# Allegro board 08_041351d.brd (continued)
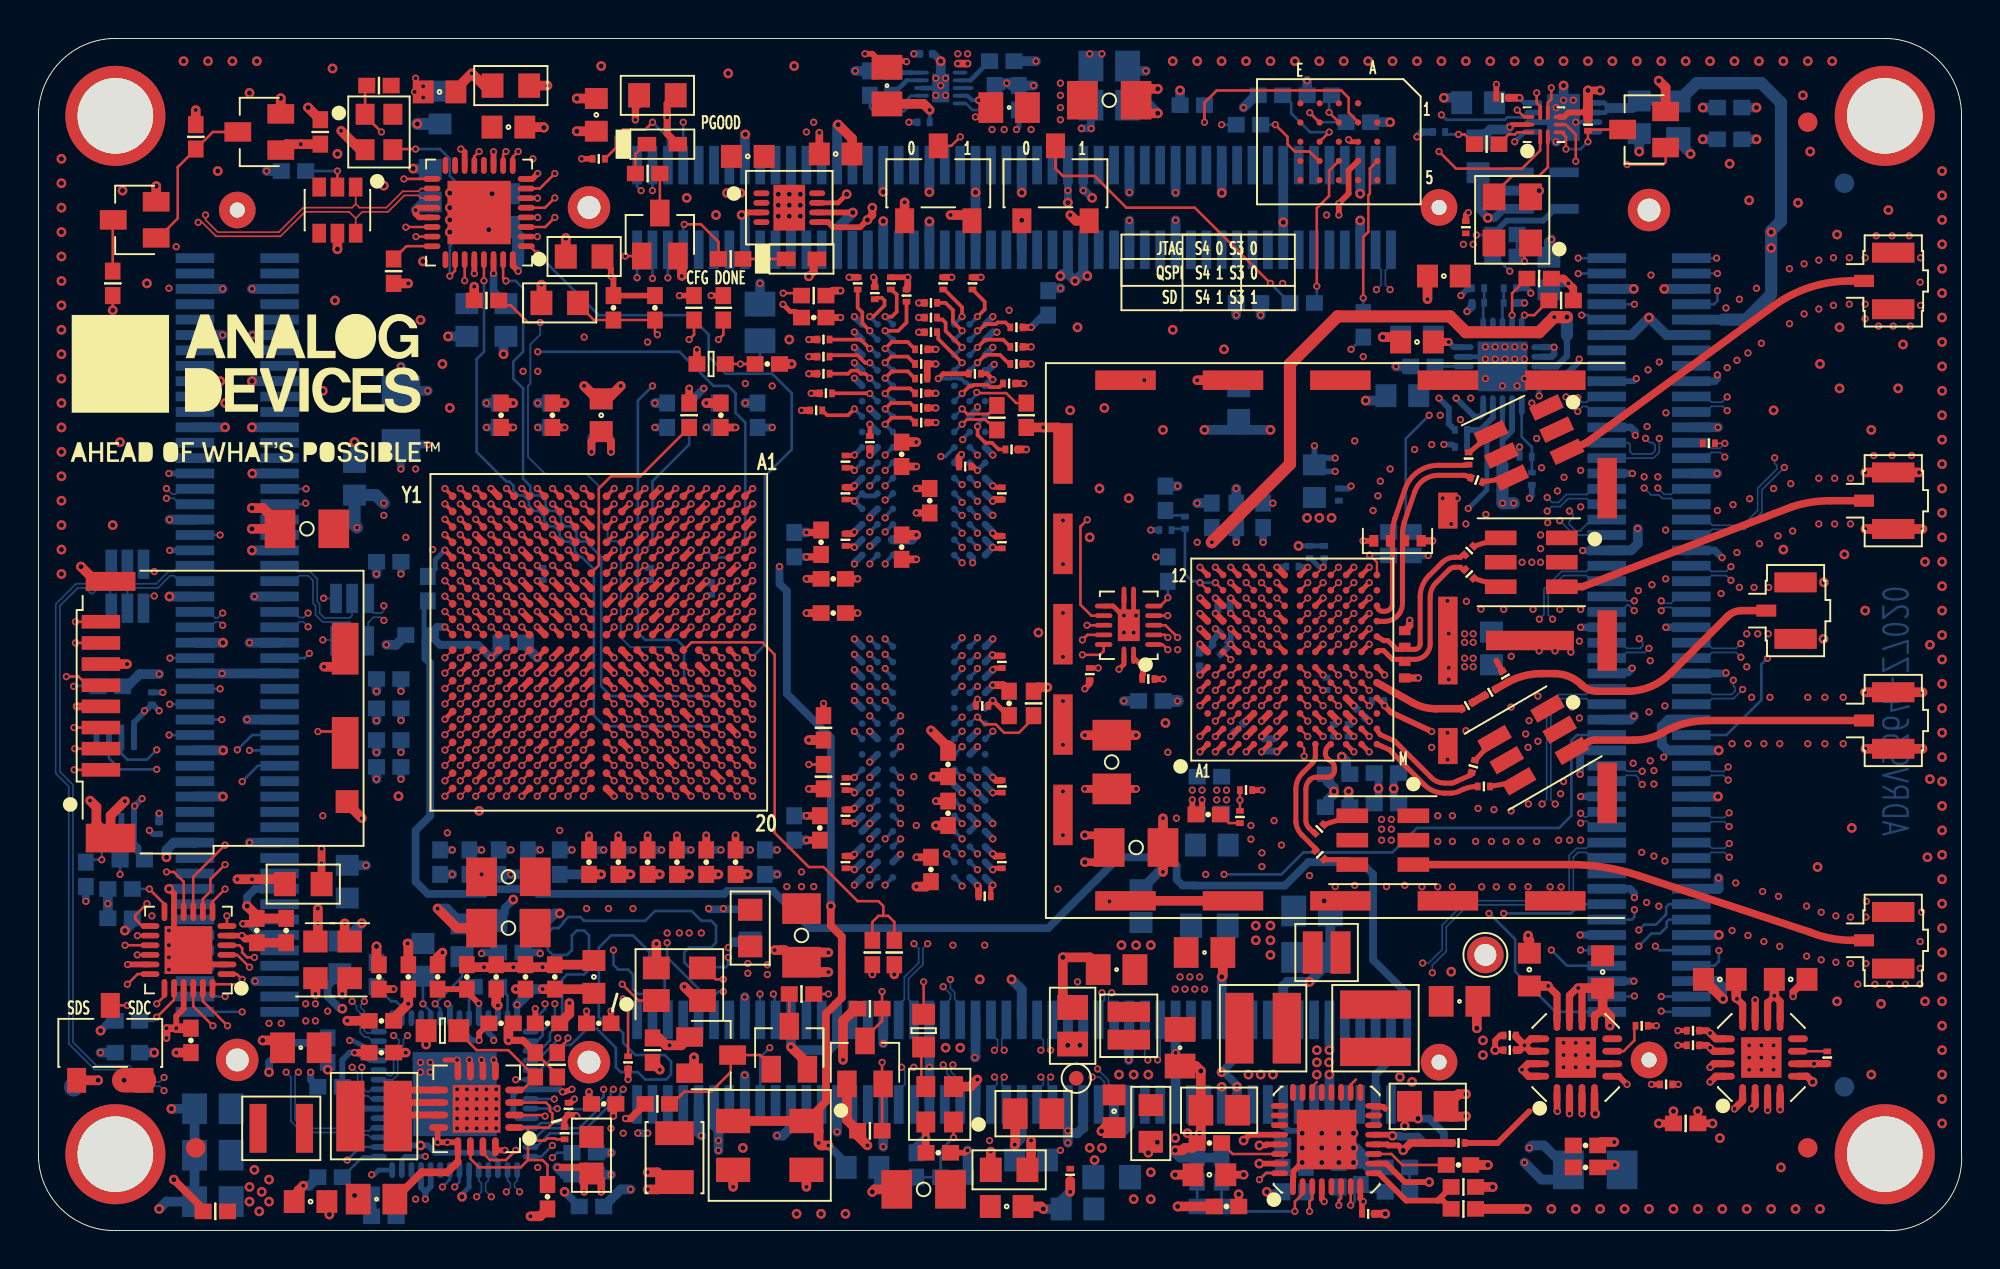
[diagram p0: board, top side]
## Routing (per net, layer and track width the routed paths; a pad name or vN(x,y) marks a point on that pad's centre or on a via; arc(x,y) is an arc through that point) (continued)
VCC-1P35: length 46
  TOP w0.356: C96.1 42.35,21.89 v1(42.43,21.97) ; C92.1 49.65,29.89 v1(49.6,29.94) ; C120.1 v1(41.71,47.48) ; v1(43.23,40.33) 43.23,40.34 C117.1 ; v1(42.43,38.73) 42.35,38.65 C118.1 ; v1(42.43,36.33) 42.34,36.24 C115.1 ; C112.1 49.78,36.11 v1(49.63,36.27) ; v1(42.43,19.57) 42.34,19.48 C97.1 ; v1(47.99,40.36) 47.87,40.23 C116.1 ; C95.1 49.74,19.48 v1(49.63,19.59) ; v1(49.63,37.93) 49.71,38.02 C109.1 ; C91.1 48.88,17.88 v1(48.83,17.94) ; C94.1 49.78,23.41 v1(49.63,23.57)
  TOP w0.381: 46.34,37.32 v1(45.65,37.32)
  TOP w0.406: C108.1 v1(45.65,34.91) ; v1(49.63,28.37) 50.15,28.37 C87.1 ; C86.1 v1(46.66,22.33) ; v1(47.8,60.69) v1(48.31,60.69) ; C88.1 v1(45.65,19.41) ; v1(41.71,48.88) 41.31,48.88 41.06,48.62 R134.2 ; C106.1 v1(45.65,39.73)
  TOP w0.508: 47.3,25.13 v1(46.41,26.02)
  TOP w0.762: C89.1 47.3,25.13
  L15_SIGNAL w0.508: v2(57.08,14.84) v2(57.84,14.84)
  L15_SIGNAL w0.635: v2(57.08,14.84) v2(56.31,14.84) 53.9,14.84 52.88,15.86 49.96,15.86 48.83,16.99 v1(48.83,17.94)
  BOTTOM w0.356: U3.E9 v1(49.63,37.93) ; U2.R9 v1(49.6,29.94) ; U3.H2 v1(43.23,40.33) ; U3.A8 48.57,34.98 v1(48.57,34.73) ; U2.A8 48.83,17.97 v1(48.83,17.94) ; U2.K2 v1(43.23,25.97) ; U3.H9 v1(49.63,40.33) ; U2.F1 v1(42.43,21.97) ; U2.D9 v1(49.63,20.37) ; U3.K8 48.83,42.73 v1(48.83,42.83) ; U3.D2 43.23,37.13 v1(43.23,37.07) ; U3.C1 v1(42.43,36.33) ; U3.K2 v1(43.23,42.73) ; U2.E9 v1(49.63,21.17) ; U2.H9 v1(49.63,23.57) ; v1(42.43,28.3) 42.49,28.3 U2.N1 ; U3.N9 49.37,44.73 49.64,45 49.65,45 v1(49.7,45.05) ; U2.N9 v1(49.63,28.37) ; U3.D9 49.56,37.19 v1(49.63,37.19) ; U2.C9 49.6,19.59 v1(49.63,19.59) ; U3.A1 42.43,34.73 v1(42.43,34.67) ; v1(49.63,36.27) 49.63,36.33 U3.C9 ; U2.C1 v1(42.43,19.57) ; v1(49.84,46.72) 49.82,46.73 49.63,46.73 U3.R9 ; v1(47.99,40.36) 47.99,40.3 U3.G7 ; U2.D2 v1(43.23,20.37) ; U2.R1 v1(42.43,29.97) ; U2.B2 v1(43.23,18.77) ; v1(43.23,35.59) 43.29,35.59 U3.B2 ; U3.F1 v1(42.43,38.73) ; U2.H2 v1(43.23,23.57) ; U3.R1 v1(42.43,46.73) ; U2.K8 v1(48.83,25.97) ; U3.N1 v1(42.43,45.13) ; U2.A1 v1(42.43,17.97) ; U2.G7 v1(48.03,22.77)
  vias: v1(47.8,61.2) v1(48.31,61.2) v1(53.14,59.67) v1(53.14,59.04) v1(53.14,58.4) v1(53.14,57.77)
VCC-3P3V: length 7.2
  TOP w0.508: C196.1 21.86,59.51 v1(22.53,60.18) 23.17,59.54 E7.2
  BOTTOM w0.203: U14.10 45.39,60.22 ; 44.5,60.22 44.46,60.22 R221.1
  BOTTOM w0.254: 45.39,60.22 44.5,60.22
  BOTTOM w0.381: C43.2 v1(45.52,61.2)
  BOTTOM w0.508: R178.1 v1(11.86,55.1) ; v1(42.47,60.31) R222.1 R221.1
VCC-3P3V-IO: length 83.8
  TOP w0.127: U1.K6 v1(29.94,34.59) ; U1.R6 v1(25.14,34.59) ; U1.T6 v1(24.34,34.59) ; U1.N6 v1(26.74,34.59)
  TOP w0.305: R168.1 v1(34.98,48.62) ; R167.1 v1(33.33,48.62) ; v1(7.16,10.52) 7.16,11.16 7.55,11.54 U11.21 ; U11.17 v1(4.64,13.84) ; U15.20 19.73,53.19 v1(19.61,53.07) 19.61,52.88 19.8,52.69 U15.21
  TOP w0.381: E8.2 31.23,58.59 31.04,58.4 v1(31.04,57.77)
  TOP w0.406: D4.A 40.31,50.36 40.31,49.88 v2(40.06,49.62) ; R169.2 v1(33.83,43.8) ; v1(6.66,10.01) v1(6.66,10.52) v1(7.16,10.52) ; J3.4 v1(1.98,27.26) ; v1(29.77,40.49) 29.77,41.04 C71.1 28.75,41.04 v1(28.75,40.49)
  TOP w0.508: C197.1 v2(27.99,58.87) ; R8.1 42.47,11.54 41.84,10.9 v1(41.84,8.87) ; C41.1 v1(7.16,10.52)
  L3_SIGNAL w0.406: v1(33.83,43.8) 33.33,44.3 v1(33.33,48.62)
  L7_SIGNAL w0.406: v1(41.84,8.87) 41.84,8.24 41.25,7.65 41.23,7.65 40.96,7.38 40.96,6.22 35.79,1.05 27.31,1.05 25.33,3.03 18.47,3.03 16.82,4.68 10.34,4.68 8.18,6.84 8.18,9.51 v1(7.16,10.52)
  L15_SIGNAL w0.406: v1(34.98,48.62) 37.71,48.62 38.72,49.64 40.04,49.64 v2(40.06,49.62)
  BOTTOM w0.406: v1(28.75,40.49) 28.75,41.26 29.05,41.55 C71.1 29.35,41.55 29.77,41.13 v1(29.77,40.49) ; v2(3.23,10.4) 3.74,10.9
  BOTTOM w0.508: C42.1 v1(3.61,17) R4.1 ; C57.1 v1(3.23,9.25) ; v1(19.61,53.07) 20.03,53.49 C184.1 ; 3.74,10.9 R109.1
VCC-BRAM: length 25.2
  TOP w0.127: U1.G11 v1(32.34,29.79) ; U1.H10 v1(31.54,31.39)
  TOP w0.406: v1(39.93,21.57) 40.63,21.57 ; v2(54.41,20.56) 55.04,20.56 C56.1 55.68,19.79 55.04,19.16 v2(54.41,19.16)
  L16_SIGNAL w0.406: v2(54.66,4.3) v2(55.3,4.3) 55.3,4.05 v2(54.92,3.66) 54.66,3.92 v2(54.66,4.3) ; v2(54.66,4.3) 54.54,4.43 54.54,6.97 54.03,7.47 54.03,8.49 54.79,9.25 54.79,10.14 54.41,10.52 54.41,12.43 54.92,12.94 54.92,18.65 v2(54.41,19.16) v2(54.41,20.56)
  BOTTOM w0.406: 39.3,21.57 v1(39.93,21.57)
VCCINT-1P0V: length 11.7
  TOP w0.356: U1.J13 v1(30.74,28.19) ; U1.P12 v1(25.94,28.99) ; U1.K12 v1(29.94,28.99) ; U1.L13 v1(28.34,28.19) ; U1.H12 v1(31.54,28.99) ; U1.M12 v1(27.54,28.99) ; U1.G13 v1(32.34,28.19) ; U1.R13 v1(25.14,28.19) ; U1.N13 v1(26.74,28.19)
  TOP w0.406: C23.1 v1(28.63,20.56) ; C19.1 v1(36.25,20.56) ; C141.1 v1(34.72,20.56)
  BOTTOM w0.406: C16.1 v1(27.74,19.79) ; v1(34.85,16.75) 34.89,16.71 C195.1 ; C23.1 v1(29.39,19.79) ; C141.1 v1(35.49,19.79)
  vias: v1(28.5,16.75) v1(29.64,16.75) v1(30.91,16.75) v1(35.61,16.75)
VCCO-DDR: length 10.2
  TOP w0.356: U1.U1 23.93,38.19 v1(23.53,38.59) ; U1.D2 v1(34.74,37.79) ; U1.E5 v1(33.94,35.39) ; U1.H4 v1(31.54,36.19) ; U1.P2 v1(25.94,37.79) ; U1.V4 v1(22.74,36.19) ; U1.G1 v1(32.34,38.59) ; U1.L3 v1(28.34,36.99) ; U1.A3 v1(37.14,36.99) ; U1.R5 v1(25.14,35.39)
  TOP w0.406: C193.1 49.49,1.34 49.33,1.51
  TOP w0.508: E2.2 v1(49.52,4.11)
  BOTTOM w0.406: C20.1 v1(23.29,41.76) ; C17.1 v1(25.96,41.76) ; C121.1 v1(34.72,41.76) ; C125.1 v1(38.15,41.76) ; C11.1 v1(32.06,41.76)
  vias: v1(49.46,4.68)
VCCPCOM-1P8V: length 57.9
  TOP w0.305: U15.14 22.16,56.1 ; v1(67.62,52.81) v1(67.62,53.42) 68.12,53.92 68.12,55.13 U13.B4 ; U15.8 25.68,54.69 v1(25.96,54.97) ; v1(24.94,49.89) 24.66,50.17 U15.32 ; U15.30 v1(23.66,49.78) ; U15.11 v1(23.66,56.1) ; U11.5 v1(10.58,15.34) ; U15.28 v1(22.66,49.77)
  TOP w0.356: U1.D7 v1(34.74,33.79) ; U1.N9 v1(26.74,32.19) ; U1.H8 v1(31.54,32.99) ; U1.J11 v1(30.74,29.79) ; U1.D12 v1(34.74,28.99) ; U1.B6 v1(36.34,34.59) ; U1.P10 v1(25.94,31.39) ; U1.N11 v1(26.74,29.79) ; U1.K8 v1(29.94,32.99) ; U1.A13 v1(37.14,28.19) ; U1.R9 v1(25.14,32.19) ; U1.G9 v1(32.34,32.19) ; v1(36.34,25.79) U1.B16 ; U1.M8 v1(27.54,32.99) ; U1.F8 v1(33.14,32.99) ; U1.L11 v1(28.34,29.79) ; U1.E15 v1(33.94,26.59)
  TOP w0.381: C54.1 11.15,15.17 10.75,15.17 v1(10.58,15.34)
  TOP w0.406: R194.1 v1(43.36,13.32) ; C53.1 v1(36.25,41.76) ; Y1.4 v1(46.14,4.81) 46.14,4.06 C39.1 ; C179.1 v1(24.69,41.76) ; C175.1 v1(27.36,41.76) ; L12.1 v1(34.24,45.8) ; R37.1 v1(40.06,22.97)
  TOP w0.508: v1(14.53,16.75) v1(14.53,15.98) 14.53,15.16 E9.2 ; S3.3 53.94,52.52 v1(53.65,52.81) ; C54.1 C55.1 ; v1(43.11,4.43) 42.6,4.93 R7.1 42.04,5.75 Q5.1 ; E1.1 v1(26.15,49.19) ; v1(47.42,52.81) 48.19,52.81 48.48,52.52 S4.3 ; R9.1 v1(22.66,49.09)
  TOP w1.27: S1.3 v2(4.45,7.81)
  BOTTOM w0.254: C83.1 55.3,61.13 v1(55.3,61.2)
  BOTTOM w0.305: v1(54.66,61.2) 54.73,61.13 C83.1 ; v1(34.74,33.79) 34.82,33.7
  BOTTOM w0.381: v1(24.94,49.89) 24.94,50.4
  BOTTOM w0.406: C174.1 v1(38.41,19.79) ; v1(14.53,16.75) v1(14.53,15.98) ; C82.1 54.73,57.32 ; 54.73,57.32 54.24,57.32 v1(54.23,57.31) ; 54.73,57.32 v1(54.74,57.31) ; 34.82,33.7 R31.1 ; v1(23.66,49.78) 23.66,48.85 C32.1 ; C182.1 22.66,48.58 v1(22.66,49.09) ; C52.1 v1(37.01,19.79)
  BOTTOM w0.508: v1(46.14,4.81) 45.65,4.31 R40.1 ; v1(65.97,59.8) R28.1 ; 62.28,48.24 v1(62.28,47.61) ; R36.1 4.62,28.3 5.26,28.94 v1(6.28,28.94) ; R6.1 v1(51.87,60.81)
  BOTTOM w0.635: v1(17.96,37.83) 17.54,38.25 C145.2 16.44,36.68 v1(16.56,36.56) ; C126.1 v2(19.7,57.55) ; 24.94,50.4 24.94,51.71 C181.1
  vias: v1(17.96,37.19) v1(21.96,56.24) v1(25.71,55.73) v2(61.65,45.83)
VCCPINT-1P0V: length 11.8
  TOP w0.356: U1.P8 v1(25.94,32.99) ; U1.R7 v1(25.14,33.79) ; U1.J7 v1(30.74,33.79) ; U1.L7 v1(28.34,33.79) ; U1.N7 v1(26.74,33.79) ; U1.G7 v1(32.34,33.79)
  TOP w0.381: C159.1 40.57,35.03 v1(39.93,35.03)
  TOP w0.406: C163.1 v1(39.93,32.11) ; C10.1 v1(39.93,33.89)
  BOTTOM w0.406: C162.1 v1(39.93,35.03)
  BOTTOM w0.508: v1(77.52,4.3) 77.65,4.43 78.28,4.43 C173.1 79.05,2.65 78.16,2.65 v1(77.27,3.54)
  vias: v2(47.17,9.51) v2(47.93,9.51) v2(56.19,8.11) v2(56.95,8.11) v2(57.71,8.11)
VDD_INTERFACE: length 17.8
  TOP w0.127: U17.H12 v1(66.8,34.49)
  TOP w0.254: U22.1 56.94,29.79 57.43,29.31 v1(57.46,29.31)
  TOP w0.305: R306.2 v1(85.27,7.6) ; v1(57.46,29.31) 57.44,29.28 57.44,28.93 57.39,28.89 C245.1
  TOP w0.356: U1.F18 v1(33.14,24.19) ; 30.34,25.39 v1(30.74,24.99) ; U1.H14 v1(31.54,27.39) ; U1.C19 v1(35.54,23.39) ; U1.K20 v1(29.94,22.59) ; U1.M16 v1(27.54,25.79)
  TOP w0.406: U1.J17 30.34,25.39 ; C47.1 v1(33.2,20.56) ; C44.1 v1(31.68,20.56) ; v2(84.25,5.57) E10.2 v2(85.02,6.2) ; C51.1 v1(30.15,20.56)
  TOP w0.508: 39.8,13.95 40.31,14.46 v1(41.07,14.46) ; 39.8,13.95 C28.1 39.42,13.95 38.79,14.59 v1(38.28,14.59) ; 39.8,13.95 39.93,13.95 40.44,13.44 v1(41.07,13.44)
  BOTTOM w0.254: C355.1 66.13,34.97 66.57,34.53 66.76,34.53 v1(66.8,34.49) 66.85,34.55 C356.1
  BOTTOM w0.406: C44.1 v1(32.4,19.79) ; C51.1 v1(30.91,19.79) ; C47.1 v1(33.92,19.79)
  vias: v1(61.27,22.9) v1(61.27,22.4) v1(61.77,22.9) v1(61.77,22.4)
VDDA_GPO: length 5
  TOP w0.127: U17.B8 v1(61.2,31.29)
  BOTTOM w0.305: R67.1 77.65,38.21 v1(77.52,38.08)
  BOTTOM w0.356: C360.1 61.04,30.69 C319.1 v1(61.2,31.29)
  BOTTOM w0.508: C361.1 v2(86.54,58.4) ; v2(85.9,55.99) 85.27,56.62 E11.2 ; C358.1 v2(86.54,56.75)
VDDA_GPO_PWR: length 80.3
  TOP w0.406: v2(87.05,5.57) E10.1 v2(86.29,6.2)
  L16_SIGNAL w0.635: v2(87.05,5.57) 87.05,6.33 ; 87.05,6.33 88.06,7.35 90.73,7.35 91.37,7.98 91.37,9.51 92.25,10.4 92.25,12.49 91.24,13.51 91.24,33.89 91.87,34.53 91.87,45.13 90.1,46.91 v2(90.1,51.1) v2(90.1,51.92) ; 87.05,6.33 86.92,6.2 v2(86.29,6.2)
  BOTTOM w0.254: U6.2 81.46,58.14 81.69,58.38 81.42,58.64 U6.1
  BOTTOM w0.406: 85.24,58.74 E11.1
  BOTTOM w0.508: 81.69,58.38 82.85,58.38 82.88,58.4 82.89,58.4 C200.1 85.24,58.74 ; 87.57,47.37 JX4.9
  BOTTOM w0.635: E11.1 86.22,59.67 89.59,59.67 90.6,58.66 90.6,52.5 90.1,51.99 v2(90.1,51.92) v2(90.1,51.1) 90.1,48.69 88.78,47.37 87.57,47.37
1P3_SUPPLY_A: length 54.5
  TOP w0.305: 79.99,12.61 v1(80.06,12.61) 80.26,12.41
  TOP w0.356: U17.B10 v1(61.2,32.89) ; U17.B9 v1(61.2,32.09) ; U17.K3 v1(68.4,26.49) ; U17.E2 v1(63.6,25.69) ; U17.J3 v1(67.6,26.49) ; U17.F2 v1(64.4,25.69)
  TOP w0.381: v1(77.27,9.63) 77.58,9.32 U19.14 ; v1(77.27,9.63) 77.01,9.38 C315.1 ; v1(77.27,9.63) 77.61,9.97 U19.13 ; v1(77.27,9.63) 76.82,10.08 C314.1 ; U19.9 80.91,11.11 81.33,11.53 ; 79.99,12.61 79.61,12.23 U19.11 ; v1(78.5,12.72) 78.96,12.26 U19.12 ; U19.10 80.26,12.41
  TOP w0.508: 81.17,12.59 81.15,12.61 v1(80.06,12.61) ; 81.17,12.59 C312.1 ; 81.17,12.59 81.33,12.43 81.33,11.53 81.71,11.15 v1(81.71,10.65) ; C313.1 v1(78.5,12.72)
  TOP w0.635: v2(79.48,47.5) v1(78.82,47.5) 78.03,46.72 74.22,46.72 73.39,47.54 67.55,47.54 65.08,45.07 65.08,39.86 v1(61.01,35.8)
  BOTTOM w0.33: U24.18 78.94,44.94 79.48,45.47 79.48,46.57
  BOTTOM w0.356: v1(68.4,26.49) 68.24,26.33 C329.1 ; v1(61.2,32.09) 61.33,32.23 C321.1 61.33,32.76 v1(61.2,32.89) ; v1(63.6,25.69) 63.72,25.57 C322.1 64.28,25.57 v1(64.4,25.69) ; C326.1 67.44,26.33 v1(67.6,26.49)
  BOTTOM w0.406: C323.1 69.68,22.42 v2(69.68,22.99) 69.68,23.58 C320.1 ; C327.1 v1(61.01,35.8)
  BOTTOM w0.508: C328.1 68.12,22.08 v2(68.12,22.84)
  BOTTOM w0.635: 79.48,46.57 v2(79.48,47.5) v1(78.82,47.5)
1P3_SUPPLY_B: length 67.5
  TOP w0.254: 86.79,9.63 v1(86.92,9.51) ; 86.79,10.4 v1(86.92,10.27)
  TOP w0.305: L1.1 v1(68.88,35.87) ; 89.91,11.86 v1(90.26,12.21)
  TOP w0.356: v1(60.4,32.89) U17.A10 ; U17.K4 v1(68.4,27.29) ; C343.1 86.79,10.4 ; U17.E3 v1(63.6,26.49) ; U17.D3 v1(62.8,26.49) ; U17.D2 v1(62.8,25.69) ; U17.A7 v1(60.4,30.49) ; C344.1 86.79,9.63 ; U17.A8 v1(60.4,31.29) ; U17.A9 v1(60.4,32.09) ; U17.F12 v1(64.4,34.49)
  TOP w0.381: U20.11 v1(89.26,11.99) ; U20.12 88.61,11.75 v1(88.32,12.05) 88.28,12.08 ; U20.9 90.56,11.91 v1(90.26,12.21) ; v1(86.92,10.27) 87.22,9.97 U20.13 ; L8.1 71.3,31.45 v1(71.3,31.73) ; L9.1 v1(71.74,28.74) ; U20.14 87.1,9.32 v1(86.92,9.51) ; L2.1 v1(72.49,35.87) ; U20.10 89.91,11.86
  TOP w0.508: C341.1 v1(90.26,12.21) ; C342.1 88.28,12.08
  L9_POWER w0.203: 64.19,21.95 64.19,24.3 64,24.49 64,26.09 v1(63.6,26.49) ; v1(60.4,32.09) v1(60.4,32.89) 60.79,33.29 60.79,34.81 61.27,35.29 61.77,35.29 v1(62.28,35.8) 61.77,36.3 61.77,39.48 ; v1(59.23,27.54) 59.23,29.33 v1(60.4,30.49) v1(60.4,31.29) ; v1(62.8,26.49) v1(62.8,25.69) 63.2,25.29 63.2,21.98 ; v1(63.68,35.8) 64.4,35.08 v1(64.4,34.49) ; v1(68.4,27.29) 68.38,27.29 68,26.91 68,25.38 67.77,25.15 v2(67.77,24.64)
  L9_POWER w0.254: v2(67.77,24.64) 67.77,24.09 69.52,22.33 ; v1(59.23,27.54) 59.23,22.4 60.06,21.57 62.66,21.57 ; 63.3,39.35 63.3,36.18 v1(63.68,35.8)
  BOTTOM w0.254: C330.1 64.43,34.53 v1(64.4,34.49)
  BOTTOM w0.33: U24.19 79.36,44.44 80.11,45.19 v1(80.11,45.32)
  BOTTOM w0.356: C333.1 68.4,27.27 v1(68.4,27.29) ; v1(60.4,30.49) 60.38,30.47 C325.1 ; v1(62.8,26.49) 62.67,26.37 C334.1
  BOTTOM w0.406: C335.1 v1(63.68,35.8) ; C332.1 v1(62.28,35.8)
  BOTTOM w0.508: v2(67.77,24.64) 68,24.42 68,23.92 C324.1
  BOTTOM w0.635: 58.47,27.54 v1(59.23,27.54)
  vias: v1(74.16,29.76) v1(74.16,29.32) v1(74.6,29.76) v1(74.6,29.32) v2(65.97,37.07) v2(66.6,37.07) v2(67.24,37.07)
AD9364_CLK: length 48.4
  TOP w0.14: v1(73.84,57) 74.16,57 C62.1
  L16_SIGNAL w0.095: v1(89.9,29.76) 90.48,30.33 90.48,33.95 88.51,35.92 88.51,44.11 89.33,44.94 89.33,45.76 88.9,46.2 88.9,50.17 87.45,51.62 82.27,51.62 77.9,55.99 74.86,55.99 v1(73.84,57)
  BOTTOM w0.14: R5.1 73.27,57 v1(73.84,57) ; v1(89.9,29.76) 89.59,29.45 89.59,27.59 87.77,25.77 JX4.63
ADP2114_VIN: length 8.2
  TOP w0.305: U4.4 66.73,1.63 v1(66.85,1.51) ; U4.8 68.73,1.66 v1(68.89,1.51) 68.82,1.44 R23.2 ; v2(72.32,2.52) 71.05,2.52 70.09,3.48 U4.10 ; U4.31 v2(63.48,3.48)
  TOP w0.406: C146.1 v2(62.41,1.89) ; C150.1 v2(62.66,2.9)
AUXADC: length 34.8
  TOP w0.127: U17.L5 v1(69.2,28.09)
  L16_SIGNAL w0.095: v1(69.2,28.09) 69.56,27.73 73.97,27.73 75.74,29.51 75.74,31.22 78.72,34.2 78.72,35.01 81.71,38.01 81.71,44.49 86.09,48.88 v1(87.3,48.88)
  BOTTOM w0.14: v1(87.3,48.88) 87.3,48.35 87.12,48.17 JX4.7
AUXDAC1: length 38.8
  TOP w0.127: U17.B3 v1(61.2,26.49)
  L16_SIGNAL w0.095: v1(61.2,26.49) 61.2,26.47 61.52,26.14 62.16,26.14 62.46,26.45 62.46,26.63 62.66,26.83 62.84,26.83 62.89,26.88 64.92,26.88 65.46,27.41 65.46,28.18 65.76,28.48 70.27,28.48 70.66,28.87 70.66,29.45 72.7,31.48 72.7,33 73.9,34.21 75.74,34.21 77.09,35.55 77.09,36.33 77.97,37.21 77.97,38.53 81.27,41.83 81.27,46.46 v1(82.98,48.17)
  BOTTOM w0.14: JX4.8 v1(82.98,48.17)
AUXDAC2: length 36.1
  TOP w0.127: U17.C3 v1(62,26.49)
  L16_SIGNAL w0.095: v1(80.24,47.61) 80.82,47.02 80.82,42.15 80.44,41.76 79.3,41.76 77.14,39.61 77.14,37 74.86,34.72 73.78,34.72 72.32,33.26 72.32,31.6 70.03,29.32 65.84,29.32 65.08,28.56 65.08,28.05 64.72,27.69 62.59,27.69 62.36,27.46 62.36,27.13 62,26.77 v1(62,26.49)
  BOTTOM w0.14: JX4.10 80.81,47.37 80.57,47.61 v1(80.24,47.61)
CARRIER_RESET: length 64.3
  TOP w0.14: Q5.3 42.98,10.01 43.87,10.9 R8.2 v1(43.87,12.43)
  L3_SIGNAL w0.095: v1(50.47,47.86) 49.89,47.86 49.4,48.34 46.99,48.34 46.52,47.87 45,47.87 44.63,48.24 39.75,48.24 37.72,50.27 33.45,50.27 v1(32.73,49.55)
  L16_SIGNAL w0.095: v1(43.87,12.43) 46.28,12.43 46.79,12.94 46.79,17.63 47.68,18.52 48.1,18.52 48.69,19.1 48.89,19.1 49.07,19.29 49.45,19.29 49.49,19.25 49.93,19.25 50.47,19.79 v1(50.47,47.86)
  BOTTOM w0.14: JX1.6 v1(32.73,49.55)
COMP_1P8V: length 6.6
  TOP w0.14: U4.2 65.73,1.91 65.33,1.51 v1(65.33,1)
  BOTTOM w0.14: C67.1 R46.1 62.14,1.25 62.39,1 v1(65.33,1)
COMP_1P35V: length 3.7
  TOP w0.14: U4.7 v1(68.23,1.31)
  BOTTOM w0.14: v1(68.23,1.31) 68.44,1.53 68.44,2.08 C68.1 69.14,2.01 C114.1
CTRL_IN0: length 5.8
  TOP w0.127: U17.C5 v1(62,28.09)
  TOP w0.14: v1(58.73,30.21) 58.46,30.48 U22.2
  L12_SIGNAL w0.095: v1(58.73,30.21) 58.73,29.83 60.12,28.43 61.66,28.43 v1(62,28.09)
CTRL_IN1: length 6.8
  TOP w0.127: U17.C6 v1(62,28.89)
  TOP w0.14: U22.3 58.59,30.98 v1(58.73,30.84)
  L12_SIGNAL w0.095: v1(58.73,30.84) 58.73,30.97 58.98,31.22 59.99,31.22 60.26,30.95 61.06,30.95 61.98,30.03 62.14,30.03 62.34,29.83 62.34,29.23 v1(62,28.89)
CTRL_IN2: length 6.9
  TOP w0.127: U17.D5 v1(62.8,28.09)
  TOP w0.14: U22.4 58.6,31.48 59.09,30.99 59.09,30.99 v1(59.23,30.84)
  L12_SIGNAL w0.095: v1(59.23,30.84) 59.36,30.84 60.38,29.83 60.89,29.83 61.66,29.05 61.66,28.75 61.75,28.66 61.98,28.43 62.14,28.43 62.48,28.09 v1(62.8,28.09)
CTRL_IN3: length 7.6
  TOP w0.127: U17.D6 v1(62.8,28.89)
  TOP w0.14: U22.5 v1(58.72,31.98)
  L12_SIGNAL w0.095: v1(62.8,28.89) 62.79,28.9 62.79,29.83 62.34,30.28 62.34,30.63 62.14,30.83 61.86,30.83 61.54,31.15 61.54,31.43 61.34,31.63 60.1,31.63 59.75,31.98 v1(58.72,31.98)
DDR3_A0: length 57.7
  TOP w0.197: v1(44.03,45.13) 44.34,45.45 45.2,45.45 R136.1 ; U1.N2 v1(26.74,37.79)
  L6_SIGNAL w0.14: v1(44.03,28.3) 44.37,28.3 45.72,29.65 45.72,32.04 43.59,34.17 43.59,34.82 43.38,35.03 43.24,35.03 42.85,35.41 42.85,42.91 43.11,43.17 43.38,43.17 43.66,43.46 43.66,43.68 43.95,43.97 44.18,43.97 44.5,44.29 44.5,44.65 v1(44.03,45.13)
  L7_SIGNAL w0.14: v1(44.03,28.3) 47.3,28.3 47.68,27.92 47.4,26.89 47.31,26.61 47.07,26.4 41.07,26.4 40.31,27.16 40.31,27.16 37.76,29.71 37.76,30.09 37.44,30.42 31.04,30.42 30.3,31.16 30.3,31.54 30.09,31.75 29.66,31.75 28.96,32.45 28.7,32.72 28.7,33.14 28.49,33.35 28.19,33.35 27.9,33.64 27.9,33.94 27.69,34.15 27.39,34.15 27.1,34.44 27.1,34.78 26.85,35.03 26.59,35.03 26.37,35.24 26.37,36.34 26.59,36.55 26.81,36.55 27.07,36.81 27.1,36.81 27.1,37.14 26.74,37.5 v1(26.74,37.79)
  BOTTOM w0.197: U3.N3 v1(44.03,45.13) ; U2.N3 44.09,28.3 v1(44.03,28.3)
DDR3_A1: length 56
  TOP w0.197: R137.1 46.83,47.38 47,47.38 47.17,47.21 47.17,46.79 v1(48.03,45.93) ; U1.K2 v1(29.94,37.79)
  L12_SIGNAL w0.14: v1(48.03,29.23) 46.2,31.06 46.2,44.86 46.3,44.96 46.3,45.22 46.51,45.43 46.77,45.43 47.27,45.93 v1(48.03,45.93)
  L13_SIGNAL w0.14: v1(48.03,29.23) 47.65,29.6 42.28,29.6 42.06,29.82 42.06,29.85 41.71,30.21 41.71,30.97 41.96,31.22 44.76,31.22 44.88,31.35 44.88,31.86 45.01,31.99 45.52,31.99 45.65,32.11 45.65,32.62 45.52,32.75 45.01,32.75 44.88,32.87 44.88,33.3 44.76,33.43 41.84,33.43 41.71,33.55 41.71,33.89 41.58,34.02 40.82,34.02 40.69,33.89 40.69,33.55 40.57,33.43 38.71,33.43 38.68,33.4 38.38,33.4 38.36,33.43 36.49,33.43 35.69,33.43 34.59,33.43 34.37,33.64 34.37,33.86 34.09,34.15 33.86,34.15 33.57,34.44 33.57,35.46 33.28,35.75 32.99,35.75 32.7,36.04 32.7,36.34 32.49,36.55 32.19,36.55 31.9,36.84 31.9,37.14 31.69,37.35 31.39,37.35 31.1,37.64 31.1,37.94 30.89,38.15 30.47,38.15 30.11,37.79 v1(29.94,37.79)
  BOTTOM w0.197: U3.P7 v1(48.03,45.93) ; U2.P7 48.03,29.17 v1(48.03,29.23)
DDR3_A2: length 58.2
  TOP w0.197: U1.M3 v1(27.54,36.99) ; R138.1 45.2,46.21 44.37,46.21 v1(44.03,45.87)
  L6_SIGNAL w0.14: v1(44.03,29.23) 44.29,29.23 45.19,30.13 45.19,31.42 43.31,33.29 42.6,33.29 41.62,34.27 41.62,42.82 42.22,43.42 42.22,43.42 42.24,43.43 42.61,43.43 43.08,43.89 43.3,43.89 43.66,44.26 43.66,45.28 44.03,45.64 v1(44.03,45.87)
  L13_SIGNAL w0.14: v1(27.54,36.99) 27.54,36.68 27.41,36.56 26.5,36.56 26.37,36.68 26.37,38.88 26.98,39.48 28.37,39.48 29.57,38.28 29.57,36.84 29.86,36.55 30.09,36.55 30.37,36.26 30.37,36.04 30.66,35.75 30.89,35.75 31.17,35.47 31.17,32.75 31.36,32.55 34.09,32.55 34.37,32.26 34.37,32.04 34.59,31.83 37.29,31.83 37.44,31.99 37.9,31.99 38.15,32.24 38.15,32.61 38.28,32.73 38.55,32.73 38.66,32.62 38.66,32.11 38.79,31.99 39.04,31.99 39.17,32.11 39.17,32.61 39.3,32.73 39.49,32.73 39.59,32.64 39.59,32.38 39.47,32.26 39.47,32.06 39.57,31.97 39.57,31.73 39.8,31.5 39.8,30.97 41.2,29.57 41.2,28.43 41.83,27.79 42.14,27.79 42.28,27.93 42.58,27.93 42.71,27.79 42.94,27.79 43.08,27.93 43.1,27.93 43.11,27.94 43.38,27.94 43.59,28.15 43.59,28.4 43.61,28.43 43.61,28.82 v1(44.03,29.23)
  BOTTOM w0.197: U3.P3 44.09,45.87 v1(44.03,45.87) ; v1(44.03,29.23) 44.03,29.17 U2.P3
DDR3_A3: length 57.7
  TOP w0.197: R139.1 41.21,45.52 42.59,45.52 42.98,45.13 v1(43.23,45.13) ; U1.K3 v1(29.94,36.99)
  L6_SIGNAL w0.14: v1(43.23,45.13) 43.23,44.84 42.86,44.48 42.86,44.44 42.85,44.43 42.85,44.18 42.6,43.92 42.24,43.92 41.35,43.03 41.35,34 42.33,33.03 43.2,33.03 44.92,31.3 44.92,30.35 44.18,29.6 43.89,29.6 43.66,29.38 43.66,29.19 43.59,29.11 43.59,29.08 43.23,28.72 v1(43.23,28.3)
  L13_SIGNAL w0.14: v1(43.23,28.3) 42.91,28.62 42.91,28.75 42.78,28.88 42.65,28.88 42.58,28.8 42.42,28.8 42.04,28.43 41.84,28.43 41.71,28.56 41.71,29.57 41.2,30.08 41.2,30.84 41.07,30.97 40.44,30.97 40.31,31.1 40.31,31.35 40.57,31.6 40.57,32.49 40.69,32.62 41.71,32.62 41.84,32.49 41.84,31.86 42.09,31.6 42.85,31.6 42.98,31.73 42.98,32.49 43.11,32.62 43.61,32.62 43.74,32.49 43.74,31.73 43.87,31.6 44.12,31.6 44.38,31.86 44.38,32.75 44.12,33 38.15,33 37.77,32.62 34.6,32.62 34.59,32.63 34.59,32.63 34.37,32.84 34.37,33.06 34.09,33.35 32.19,33.35 31.9,33.64 31.9,35.54 31.61,35.83 31.39,35.83 31.17,36.04 31.17,36.76 31.1,36.84 31.1,37.14 30.89,37.35 30.31,37.35 29.95,36.99 v1(29.94,36.99)
  BOTTOM w0.197: U2.N2 43.29,28.3 v1(43.23,28.3) ; U3.N2 v1(43.23,45.13)
DDR3_A4: length 56.3
  TOP w0.197: U1.M4 v1(27.54,36.19) ; v1(48.83,45.93) 49.22,46.33 50.16,46.33 R140.1
  L6_SIGNAL w0.14: v1(48.83,45.93) 49.23,46.34 49.71,46.34 49.75,46.29 49.78,46.29 49.99,46.08 49.99,46.06 52.01,44.03 52.01,44.03 52.84,43.21 52.84,40.43 51.88,39.48 51.88,31.87 49.96,29.95 49.96,29.79 49.75,29.58 49.18,29.58 v1(48.83,29.23)
  L7_SIGNAL w0.14: v1(27.54,36.19) 27.82,36.19 28.19,36.55 28.62,36.55 29.01,36.94 29.01,37.45 29.71,38.15 32.49,38.15 32.7,37.94 32.7,37.72 32.99,37.43 39.32,37.43 40.29,36.45 40.29,36.2 42.22,34.27 45.27,34.27 45.44,34.1 49.12,34.1 49.84,33.38 49.84,31.6 49.58,31.35 48.69,31.35 48.44,31.1 48.44,29.62 v1(48.83,29.23)
  BOTTOM w0.197: U2.P8 48.83,29.17 v1(48.83,29.23) ; U3.P8 v1(48.83,45.93)
DDR3_A5: length 59.2
  TOP w0.197: R141.1 42.76,46.34 v1(43.23,45.87) ; U1.L1 v1(28.34,38.59)
  L6_SIGNAL w0.14: v1(43.23,45.87) 42.87,45.87 42.58,45.57 42.28,45.57 41.98,45.87 41.49,45.87 40.82,45.19 40.82,33.38 41.71,32.49 42.98,32.49 44.39,31.08 44.39,30.62 44.18,30.4 43.81,30.4 43.59,30.18 43.59,29.82 43.23,29.45 v1(43.23,29.23)
  L7_SIGNAL w0.14: v1(43.23,29.23) 43.23,29.45 43.59,29.82 43.59,30.2 43.46,30.33 42.99,30.33 42.79,30.52 42.79,31.02 42.6,31.21 41.98,31.21 41.85,31.34 41.85,31.34 41.44,31.74 41.44,32.13 40.18,33.38 39.68,33.38 38.91,34.15 32.94,34.15 32.77,34.32 32.77,35.46 32.49,35.75 32.26,35.75 31.97,36.04 31.97,36.26 31.69,36.55 31.46,36.55 31.17,36.84 31.17,37.06 30.89,37.35 29.67,37.35 29.39,37.07 29.39,36.56 28.58,35.75 27.46,35.75 27.17,36.04 27.17,36.34 27.39,36.55 27.61,36.55 27.9,36.84 27.9,38.05 27.74,38.21 26.6,38.21 26.47,38.34 26.21,38.34 26.09,38.21 25.83,38.21 25.82,38.23 25.79,38.23 25.68,38.34 25.45,38.34 25.33,38.21 24.82,38.21 24.7,38.33 24.7,38.85 24.8,38.96 25.69,38.96 25.71,38.97 27.95,38.97 v1(28.34,38.59)
  BOTTOM w0.197: U2.P2 43.23,29.17 v1(43.23,29.23) ; U3.P2 43.29,45.87 v1(43.23,45.87)
DDR3_A6: length 59.1
  TOP w0.197: v1(48.83,46.79) 48.9,46.79 49.24,47.14 49.79,47.14 49.87,47.23 50.28,47.23 R143.1 ; U1.L4 v1(28.34,36.19)
  L6_SIGNAL w0.14: v1(48.83,29.9) 49.33,30.4 49.78,30.4 49.9,30.53 49.9,30.53 51.61,32.24 51.61,39.99 51.99,40.36 51.99,40.88 51.61,41.26 51.61,43.46 51.38,43.69 51.08,43.69 50.87,43.9 50.87,44.28 50.06,45.1 50.06,45.2 49.85,45.41 49.11,45.41 48.95,45.57 48.68,45.57 48.46,45.78 48.46,46.43 v1(48.83,46.79)
  L13_SIGNAL w0.14: v1(48.83,29.9) 49.2,29.53 49.2,25.51 49.19,25.49 49.19,25.02 48.98,24.8 48.5,24.8 48.18,24.48 47.92,24.48 47.42,23.98 42.85,23.98 37.41,29.43 29.79,29.43 29.57,29.64 29.57,29.64 28.75,30.46 28.75,35.48 28.34,35.9 v1(28.34,36.19)
  BOTTOM w0.197: U2.R8 48.76,29.9 v1(48.83,29.9) ; U3.R8 48.83,46.73 v1(48.83,46.79)
DDR3_A7: length 58.7
  TOP w0.197: U1.K4 v1(29.94,36.19) ; R144.1 42.6,47.99 42.84,47.75 42.84,47.18 v1(43.23,46.79)
  L6_SIGNAL w0.14: v1(43.23,29.97) 43.22,29.97 42.78,30.4 42.28,30.4 42.06,30.62 42.06,31.12 39.55,33.64 39.55,42.27 39.31,42.5 39.31,42.8 39.55,43.04 39.55,45.45 39.7,45.59 39.7,45.6 39.91,45.81 39.91,45.81 40.08,45.98 40.21,45.98 41.33,47.1 42.92,47.1 v1(43.23,46.79)
  L7_SIGNAL w0.14: v1(43.23,29.97) 42.83,29.57 41.83,29.57 40.07,31.34 39.94,31.34 39.8,31.48 39.68,31.48 37.99,33.17 37.99,33.35 38.22,33.57 38.4,33.57 39.04,32.93 39.04,32.62 39.17,32.49 39.55,32.49 39.77,32.71 39.97,32.71 40.57,32.11 40.57,31.99 40.31,31.73 40.31,31.6 40.64,31.28 40.69,31.28 41.84,30.14 42.02,30.14 42.19,30.31 42.19,30.49 41.26,31.41 41.26,31.42 41.17,31.51 41.17,32.01 40.12,33.06 39.61,33.06 38.79,33.88 37.76,33.88 37.64,33.76 37.64,33.51 37.52,33.38 37.01,33.38 36.88,33.51 36.57,33.51 36.44,33.38 36.19,33.38 36.06,33.51 35.87,33.51 35.74,33.38 35.43,33.38 35.18,33.64 35.1,33.64 34.85,33.38 34.64,33.38 34.59,33.43 34.59,33.43 34.42,33.6 34.25,33.6 34.09,33.43 34.01,33.43 33.96,33.38 33.83,33.38 33.79,33.43 33.79,33.43 33.58,33.63 33.49,33.63 33.26,33.4 33.26,33.38 33.03,33.38 32.77,33.64 32.77,33.86 32.49,34.15 32.26,34.15 31.97,34.44 31.97,34.78 32.12,34.92 32.12,35.09 31.97,35.24 31.97,35.46 31.69,35.75 31.34,35.75 31.17,35.92 31.17,36.27 30.88,36.56 30.66,36.56 30.59,36.63 30.59,36.63 30.44,36.77 30.24,36.77 30.15,36.68 30.14,36.68 30.09,36.63 29.84,36.63 29.64,36.43 29.64,36.29 29.78,36.15 29.9,36.15 v1(29.94,36.19)